# KiCad board model-c.kicad_pcb (continued)
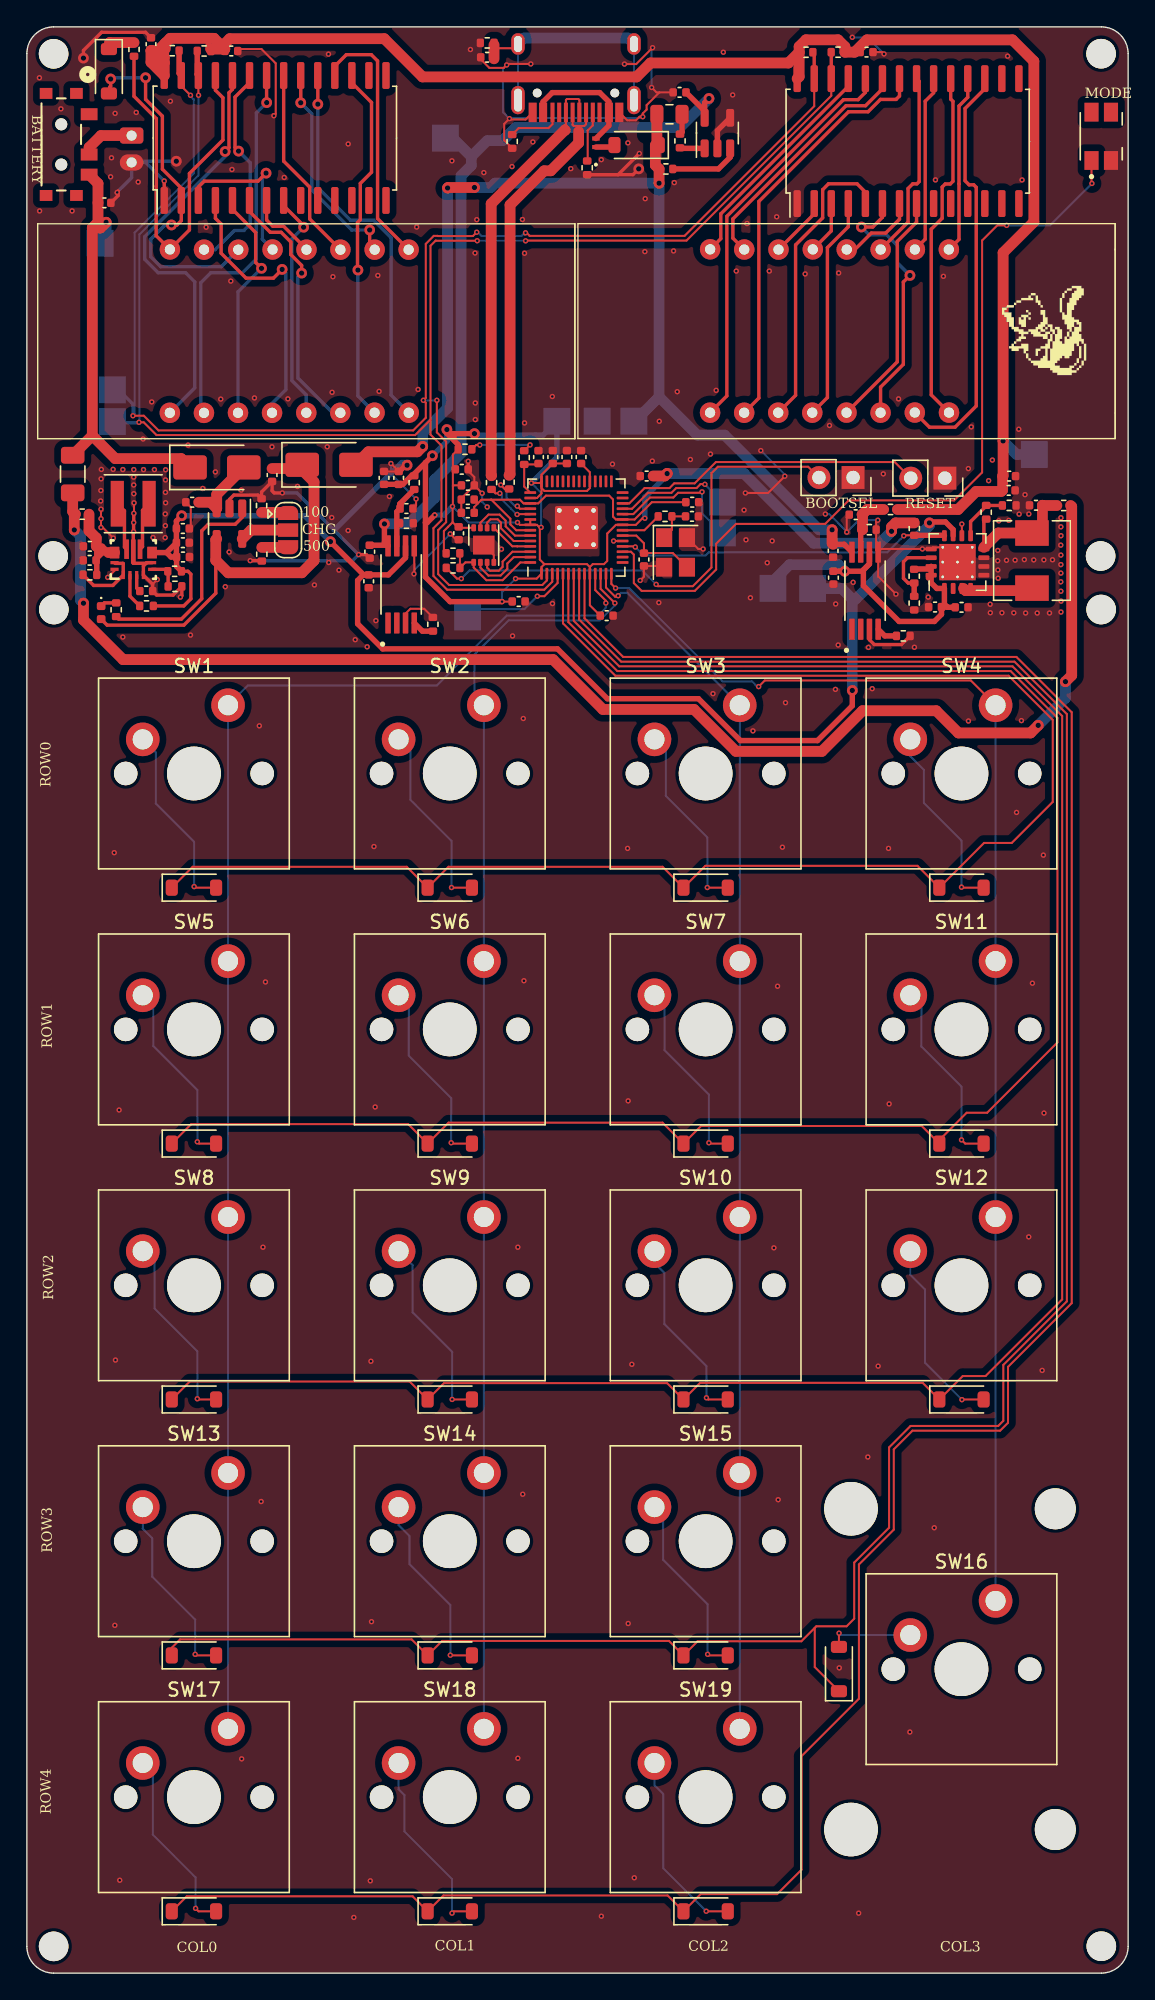
[diagram p0: board, top side]
## Nets (continued)
Net-(IC2-ROW3/K1): IC2.22 U6.2
Net-(IC2-ROW4/K2): IC2.21 U6.11
Net-(IC2-ROW5/K3): IC2.20 U6.10
Net-(IC2-ROW6/K4): IC2.19 U6.8
Net-(IC2-ROW7/K5): IC2.18 U6.9
Net-(IC2-ROW8/K6): IC2.17 U6.7
Net-(J1-Pin_1): J1.1 SW21.2
Net-(JP2-A): JP2.1 R16.2
Net-(JP2-B): JP2.3 R15.2
Net-(JP2-C): JP2.2 U4.5
Net-(L1-Pad2): L1.2 U5.3 U5.4
Net-(U3-ADC_AVDD): C10.1 R11.2 U3.43
Net-(U3-GPIO2): TP4.1 U3.4
Net-(U3-SWCLK): TP1.1 U3.24
Net-(U3-SWD): TP2.1 U3.25
Net-(U3-USB_DM): R13.1 U3.46
Net-(U3-USB_DP): R12.1 U3.47
Net-(U4-STAT): R14.2 U4.1
Net-(U5-FB): R31.1 R32.2 U5.14
Net-(U5-LBI): R5.2 R9.1 U5.9
Net-(U5-VBAT): C26.1 FB4.1 L1.1 R5.1 U5.8
Net-(U7-EN): R22.2 U7.3
Net-(U7-IN): FB1.1 U7.1
Net-(U8-ILIM): R25.1 U8.4
Net-(U8-OUT): C35.1 FB3.2 R26.1 U8.7
Net-(U9-ILIM): R24.1 U9.4
Net-(U9-OUT): C36.1 FB2.2 R27.1 U9.7
Net-(U11-EN): R23.2 U11.1 U11.14
Net-(U11-FB): R29.2 R30.1 U11.5
Net-(U11-L1): L2.1 U11.11
Net-(U11-L2): L2.2 U11.9
Net-(U11-PG): R28.2 U11.2
Net-(U11-VAUX): C38.1 U11.3
Net-(USB1-CC1): R6.1 USB1.4
Net-(USB1-CC2): R7.1 USB1.10
Net-(USB1-SHIELD): C6.1 R8.2 USB1.13

Pads without a net: IC1 9 10 11 12 13 14 15 16; IC2 9 10 11 12 13 14 15 16; S1 1_2 2_2; SW21 1 6 7 8 9; U3 15 16 27 28 29 30 31 32 34 35 36 37 38 39 40 41; U5 2; U8 1 2; U9 1 2; USB1 3 9

## Via types
v1: diameter 0.4, hole 0.2, Top to Bottom, 317 vias
v2: diameter 0.8, hole 0.4, Top to Bottom, 44 vias

## Routing (per net, layer and track width the routed paths; a pad name or vN(x,y) marks a point on that pad's centre or on a via; arc(x,y) is an arc through that point)
+1V1: length 23.3
  Top w0.15: C7.1 33.31,109.14 33.59,109.41 ; C9.1 33.59,109.41 ; 33.59,109.41 33.85,109.68 34.55,109.68 ; 43.64,109.2 43.64,108.42 43.86,108.21 U3.23 45.25,108.21 46.54,109.5 C8.1 ; 34.55,109.68 34.59,109.68 36,108.27 36,107.85 36.44,107.41 U3.50 ; 34.55,109.68 36.71,109.68 36.98,109.41 U3.45 38.08,109.41 38.65,109.98 43.36,109.98 43.64,109.7 43.64,109.22
+3V3: length 124.4
  Top w0.15: 38.53,104.88 38.2,105.22 38.2,107.6 ; 38.53,104.88 41.71,104.88 41.92,104.67 ; 38.53,104.88 38.32,104.67 U3.1 37.96,103.81 v1(36.39,103.81) ; C16.1 41.92,101.83 U3.10 41.92,104.67 ; 31.72,110.7 31.72,113.04 32.11,113.44 ; 31.72,110.7 31.77,110.75 C14.1 ; 31.72,110.7 31.72,109.21 v1(31.69,109.18) 31.7,109.17 31.7,108 ; U3.42 38.2,110.93 v1(37.56,110.93) ; U3.42 38.32,111.55 39.15,112.38 C18.1 39.16,112.38 C11.1 ; U3.42 38.32,110.55 38.53,110.33 41.71,110.33 41.92,110.55 U3.33 41.92,111.72 C13.1 ; U3.42 38.32,110.15 37.98,109.81 U3.44 ; 41.92,104.67 42.13,104.88 42.97,104.88 43.21,105.13 43.21,107.16 43.86,107.81 U3.22 45.34,107.81 45.84,108.3 v1(46.01,108.3) ; U1.8 32.22,107.59 C1.2 32.04,107.66 31.7,108 ; 38.2,107.6 37.98,107.81 U3.49 ; 38.2,107.6 38.22,107.62 v1(38.29,107.62) ; 31.7,108 31.05,107.35 31.05,105.86 R2.2 ; v1(35.38,102.1) 36.13,102.1 C17.1 ; v1(36.53,107.98) 36.71,107.81 U3.49 ; U3.49 U3.48
  Top w0.4: C2.1 28,110.83 28.63,111.46 FB3.1 28.84,111.6 29.68,112.44 ; v2(31.27,114.9) 31.27,114.62 32.11,113.78 32.11,113.44 ; v2(31.27,114.9) 31.42,114.9 ; v2(31.27,114.9) 31.82,114.36 ; v2(31.27,114.9) 31.58,114.6 v2(33.33,114.6) ; 29.68,107.97 29.8,107.97 v1(30.37,108.54) ; 29.68,107.97 29.68,103.93 31.51,102.1 v1(35.38,102.1) ; 29.68,107.97 29.68,112.44 ; C22.1 27.68,110.83 ; 29.68,112.44 v2(30.19,112.95)
  Top w0.8: v2(64.38,107.33) 64.38,107.65 64.69,107.95 66.08,107.95 ; C12.1 47.5,111.45 v2(47.67,111.63) 47.67,111.63
  Bottom w0.15: v1(35.38,102.1) 35.38,102.8 v1(36.39,103.81) ; v1(31.69,109.18) 32.89,107.98 v1(36.53,107.98) ; v1(38.29,107.62) 38.29,110.2 v1(37.56,110.93)
  Bottom w0.4: v1(37.56,110.93) 39.47,112.83 TP9.1 38.44,114.49 33.44,114.49 v2(33.33,114.6) ; v1(30.37,108.54) 31.05,108.54 v1(31.69,109.18) ; v2(30.19,112.95) 31.27,114.03 v2(31.27,114.9) ; v2(47.67,111.63) 47.67,111.53 46.01,109.87 v1(46.01,108.3)
  Bottom w0.8: v2(47.67,111.63) 53.4,111.63 58.59,106.44 63.49,106.44 v2(64.38,107.33)
+5V: length 128
  Top w0.25: 57.28,141.1 IC1.28 ; 62.04,143 C24.1
  Top w0.4: 13.81,143.34 13.7,143.23 ; 13.7,143.23 13.7,143.29 ; 13.7,143.23 13.51,143.41 13.51,144.03 ; 62.04,143.12 C24.1 ; 10.17,143.11 10.31,143.25 10.31,141.34 IC2.28 ; 72.66,110.41 C21.1
  Top w0.8: 10.31,143.66 10.67,144.03 13.94,144.03 14.74,143.23 ; 10.31,143.66 10.31,143.25 ; 10.31,143.66 9.76,143.11 ; 10.23,142.19 10.23,142.63 9.76,143.11 ; 10.23,142.19 9.31,143.11 C5.1 ; 10.23,142.19 IC2.28 9.24,142.25 C5.1 ; R19.2 57.5,141.17 IC1.28 ; R19.2 57.5,143.41 58.01,143.92 60.4,143.92 60.91,143.41 R20.1 61.64,143 62.55,143.91 73.39,143.91 74.98,142.32 74.98,130.36 72.69,128.07 v2(72.69,114.06) 72.69,111.47 C23.1 72.66,110.41 72.55,110.3 70.68,110.3 69.34,108.95 FB2.1 ; R19.2 56.71,142.19 46.44,142.19 45.4,141.15 29.46,141.15 26.62,144 15.11,144 14.74,143.63 14.74,143.23 ; 14.74,143.23 13.7,143.23 ; 9.76,143.11 C5.1
  Bottom w0.8: v2(72.69,114.06) 73.7,113.05 TP11.1
/3.3V_BATT: length 100.6
  Top w0.25: R29.1 11.99,104.35 12.21,104.14 12.21,102.31 11.68,101.78 R28.1
  Top w0.4: C30.1 25.05,104.09 24.63,103.67 24.63,100.45 26.49,98.58 39.51,98.58 43.22,94.87 50.01,94.87 53.13,91.75 58.87,91.75 61.46,94.34 v2(61.46,95.48) ; C30.1 26.92,104.09 28.2,105.37 U8.6 ; C30.1 25.08,104.09 v2(22.6,106.56) ; U11.7 10.4,105.75 ; 10.4,105.75 10.73,105.42 C41.2 ; 10.4,105.75 C40.1 ; C41.2 11.14,105.43 C39.2 11.14,108.09 v2(11.53,108.49) ; C41.2 11.15,104.72 R29.1 ; U5.11 68.97,107.45 68.4,108.03 67.2,108.03
  Bottom w0.4: v2(22.6,106.56) 20.68,108.49 v2(11.53,108.49)
  Bottom w0.8: v2(67.2,107.96) 67.2,107.77 61.72,102.29 61.46,102.29 ; 61.46,102.29 60.68,103.06 TP10.1 ; 61.46,102.29 v2(61.46,95.48)
/3.3V_USB: length 60.2
  Top w0.4: v2(26.62,107.88) 26.62,106.51 U8.8 26.84,106.29 C31.1 ; v2(50.79,139.55) 50.47,139.23 50.47,138.11 50.47,138.62 49.08,140
  Bottom w0.8: TP7.1 31.71,136.6 33.09,135.22 ; 33.09,135.22 33.09,134.56 32.33,133.79 32.33,113.14 30.36,111.17 30.36,109.81 28.43,107.88 v2(26.62,107.88) ; 33.09,135.22 34.29,136.41 35.42,136.41 36.4,137.39 48.63,137.39 v2(50.79,139.55)
/5V_BATT: length 26.6
  Top w0.4: 68.56,101.67 68.32,101.91 ; 68.56,101.67 68.54,101.69 C28.1 ; 68.56,101.67 C27.1 ; 68.32,101.91 C28.1 ; 68.32,101.91 U5.1 67.76,103.08 67.33,103.5 U5.16 ; C28.1 68.1,101.15 67.57,100.62 64.95,100.62 62.29,103.28 62.29,104.45 62.74,104.9 ; U5.16 U5.15 67.14,104.53 66.13,104.53 ; U5.16 67.13,103.86 ; C33.1 v2(60.9,104.36) 62.19,104.36 62.74,104.9 ; U9.6 62.74,104.9
  Bottom w0.8: v2(60.9,104.36) 60.41,104.84 56.78,104.84 55.55,103.61 TP8.1 55.56,103.08
GND: length 183.7
  Top w0.15: 34.77,105.02 34.77,105.55 U1.9 ; C1.1 31.96,106.7 v1(31.53,107.14) ; v1(61.05,107.27) 61.05,108.38 C36.2 ; C22.2 27.68,111.79 ; v1(6.44,106.83) 5.52,107.75 v1(5.52,108.97) ; USB1.12 37.14,137.99 36,137.99 v1(35.93,138.05) 35.54,137.66 35.54,136.44 R7.2 ; U9.5 63.24,105.93 R27.2 63.24,108.03 v1(63.36,108.16) ; U9.5 63.39,103.98 v1(64.71,102.65) ; U9.5 63.62,106.02 v1(66.68,106.02) 67.33,106.02 U5.13 67.46,106.14 U5.17 ; v1(44.5,142.11) 45.37,142.11 v1(46.59,143.33) ; v1(37.52,142.12) 35.8,142.12 v1(35.73,142.05) 35.51,141.83 34.43,141.83 33.79,142.47 33.78,142.46 ; 27.8,111.68 v1(27.11,112.38) 27.09,112.36 ; v1(6.02,103.9) 6.53,104.4 U11.15 ; v1(53.5,110.18) 55.19,110.18 v1(56.43,111.43) ; v1(28.82,104.16) 28.84,104.18 U8.5 ; v1(28.98,109.74) 28.98,109.26 C35.2 ; v1(50.35,106.01) 50,106.01 49.15,106.86 ; 47.1,140 46.15,139.05 46.15,138.72 45.86,138.43 v1(45.86,138.19) 45.62,138.19 45.35,137.93 44.7,137.93 USB1.1 ; 47.1,140 C29.2 ; 47.1,140 46.89,140 v1(46.52,140.37) ; v1(7.97,108.67) 7.98,108.68 v1(7.98,109.45) ; C39.1 12.2,107.64 12.2,109.12 C42.2 ; Y1.2 47.36,104.75 C3.1 45.95,103.95 v1(45.67,103.67) ; R25.2 29.59,101.56 28.55,101.56 28.2,101.2 U8.3 ; v1(18.39,138.26) 18.53,138.41 18.53,142.16 17.47,143.23 15.7,143.23 ; v1(43.69,106.61) U3.19 ; 32.72,111.97 33.32,111.37 C14.2 ; v1(33.9,110.16) 33.32,110.75 C14.2 ; C14.2 32.35,109.78 C9.2 32.35,109.69 C7.2 ; C24.2 63.69,143 v1(63.82,142.87) ; v1(69.62,107.87) 69.62,107.87 U5.10 ; v1(9.71,103.74) 9.37,103.4 9.37,103.38
  Top w0.25: v1(24.7,105.59) 25.27,105.59 C31.2 ; v1(11.43,102.43) 11.54,102.54 R30.2 10.89,102.58 9.66,102.58 C38.2 9.37,103.38 U11.4 8.68,104.75 8.88,104.95 ; C20.2 6.8,132.32 6.8,132.66 6.73,132.59 v1(6.73,132.56) 6.7,132.56 6.65,132.51 ; 8.88,104.95 7.93,104.95 7.93,107.29 v1(7.95,107.31) 7.95,107.97 v1(7.96,107.98) 7.96,108.66 v1(7.97,108.67) ; 8.88,104.95 8.93,105 U11.6 ; v2(4.21,142.56) 4.21,143.12 5.57,144.48 8.84,144.48 C5.2 ; v1(19.02,110.19) 18.42,110.19 18.26,110.35 C19.2 17.48,110.26 R16.1 17.21,110.03 15.41,110.03 15.09,109.7 U4.2 ; v1(16.63,105.15) 17.46,105.15 R15.1 ; v1(45.6,135.46) 44.03,133.88 R6.2 45.13,133.88 v2(45.56,134.31) ; U9.3 62.74,99.26 63.09,98.9 65.12,98.9 R24.2 ; v1(32.86,112.54) C15.2 ; v1(10.23,133.4) IC2.1
  Top w0.4: C2.2 27.73,111.78 28.4,112.45 ; U7.4 51.42,137.16 U7.2
  Bottom w0.15: v1(27.11,112.38) 27.11,111.61 v1(28.98,109.74) ; v1(63.82,142.87) 62.59,144.1 v1(61.46,144.1) ; v1(34.28,109.14) 33.9,109.52 v1(33.9,110.16) ; v1(63.36,108.16) 61.93,108.16 v1(61.05,107.27) 61.05,107.31 59.74,108.62 v1(59.45,108.62) ; v1(46.59,143.33) 46.52,143.26 v1(46.52,140.37) ; v1(28.82,104.16) 28.82,104.43 v1(31.53,107.14) ; v1(54.65,113.34) 56.43,111.56 v1(56.43,111.43) ; v1(45.86,138.19) 45.77,138.1 35.98,138.1 v1(35.93,138.05) 35.45,138.53 35.45,141.77 v1(35.73,142.05)
  Bottom w0.25: J1.2 7.8,133.66 6.8,132.66 ; J1.2 8.85,134.79 v1(10.23,133.4) ; J1.2 7.89,134.88 v2(11.13,134.88) ; v1(16.63,105.15) 22.34,105.15 v1(22.48,105.01) 22.62,105.15 24.25,105.15 v1(24.7,105.59) 20.11,110.19 v1(19.02,110.19)
  Bottom w0.4: 28.4,112.45 27.92,112.45 22.88,107.41
  vias: v1(0.94,141.09) v1(0.95,131.18) v1(2.54,138.78) v1(3.37,131.18) v1(5.51,110.37) v1(5.5,109.59) v1(5.55,111.94) v1(5.53,111.24) v1(5.52,108.27) v1(5.52,107.61) v1(6.3,135.13) v1(6.23,133.72) v1(6.42,111.94) v1(6.51,83.41) v1(6.57,138.44) v1(6.6,45.64) v1(6.55,25.89) v1(6.87,64.25) v1(6.91,6.91) v1(7.15,111.93) v1(7.14,99.46) v1(7.96,111.92) v1(7.95,111.36) v1(7.96,110.78) v1(7.97,110.13) v1(8.14,138.51) v1(8.29,133.33) v1(8.66,114.2) v1(8.69,111.92) v1(9.3,116.96) v1(9.4,106.86) v1(9.5,111.92) v1(10.31,108.62) v1(10.31,107.75) v1(10.3,106.86) v1(10.33,111.91) v1(10.32,111.15) v1(10.32,110.23) v1(10.33,109.46) v1(10.69,139.34) v1(12,113.75) v1(12.18,99.61) v1(13.1,110.52) v1(13.35,129.97) v1(14.04,111.75) v1(14.44,117.17) v1(14.78,103.2) v1(15.06,105.79) v1(15.18,125.95) v1(15.27,134.26) v1(15.96,110.4) v1(15.99,15.95) v1(16.94,117.26) v1(17.31,92.85) v1(17.45,35.11) v1(17.58,54.04) v1(17.76,73.78) v1(18.25,113.62) v1(19.16,133.67) v1(19.44,117.19) v1(20.15,110.67) v1(21.41,103.34) v1(22.37,113.62) v1(22.46,142.85) v1(22.7,108.35) v1(22.79,126.28) v1(22.73,117.68) v1(23.24,104.44) v1(23.93,136.16) v1(23.92,107.39) v1(24.35,4.15) v1(24.45,99.26) v1(25.34,98.73) v1(25.57,6.87) v1(25.62,45.55) v1(25.66,26.16) v1(25.84,83.86) v1(25.99,100.68) v1(25.94,64.48) v1(26.13,126.37) v1(26.23,117.75) v1(27,109.92) v1(29.02,129.98) v1(29.13,117.89) v1(31.65,134.91) v1(33.03,143.19) v1(33.37,128.05) v1(33.39,116.88) v1(33.39,115.65) v1(33.5,130.53) v1(34.03,134.03) v1(35.34,106) v1(36.12,134.48) v1(36.17,99.54) v1(36.56,54.04) v1(36.56,15.99) v1(36.9,130.54) v1(36.97,93.39) v1(37.01,73.87) v1(36.92,35.65) v1(37.06,128.03) v1(37.06,115.4) v1(37.68,136.31) v1(39.13,117.37) v1(39.14,101.95) v1(40.5,134.33) v1(42.77,135) v1(42.78,4.24) v1(43.6,112.33) v1(44.75,136.25) v1(44.73,83.72) v1(44.77,64.93) v1(44.77,26.03) v1(45.05,45.32) v1(45.23,7.1) v1(46.02,128.15) v1(46.04,132.09) v1(46.57,112.56) v1(47.09,115.52) v1(47.06,102.02) v1(48.21,133.29) v1(48.15,128.2) v1(48.43,117.72) v1(49.41,112.68) v1(50.9,113.08) v1(51.09,95.24) v1(51.33,117.82) v1(51.86,142.99) v1(52.55,139.81) v1(52.82,126.7) v1(53.4,108.91) v1(53.54,106.7) v1(53.62,130.24) v1(53.88,102.38) v1(54.06,92.47) v1(55.13,104.99) v1(55.28,126.7) v1(55.5,106.62) v1(55.62,53.99) v1(55.83,130.74) v1(55.9,73.47) v1(55.94,35.24) v1(56.26,83.81) v1(56.49,94.57) v1(57.95,126.49) v1(59.76,115.21) v1(60.21,95.56) v1(60.22,101.92) v1(60.41,98.86) v1(60.45,126.56) v1(60.49,22.72) v1(61.52,103.53) v1(61.93,4.46) v1(62.61,38.42) v1(62.66,98.69) v1(62.94,95.61) v1(63.39,45.18) v1(63.77,111.6) v1(64.16,83.72) v1(64.2,64.7) v1(64.91,117.19) v1(65.75,17.95) v1(66.09,98.7) v1(67.12,102.43) v1(67.56,33.15) v1(67.65,133.49) v1(68.25,126.31) v1(70.1,112) v1(70.11,93.21) v1(70.32,115.1) v1(71.61,111.1) v1(71.73,101.9) v1(71.74,101.27) v1(71.89,112.63) v1(72.29,105.9) v1(72.29,105.14) v1(72.3,104.45) v1(72.37,108.11) v1(72.32,103.83) v1(72.6,101.27) v1(72.94,105.17) v1(73.02,142.7) v1(73.11,108.14) v1(73.48,101.26) v1(73.58,105.18) v1(73.69,86.4) v1(73.86,114.93) v1(73.88,108.61) v1(74.1,133.48) v1(74.05,93.24) v1(74.27,105.22) v1(74.32,110.06) v1(74.37,101.25) v1(74.61,108.62) v1(74.6,54.81) v1(74.87,73.69) v1(74.97,105.2) v1(75.23,101.25) v1(75.6,44.87) v1(75.69,83.22) v1(75.73,105.2) v1(75.73,64.02) v1(76.14,101.25) v1(76.37,105.21) v1(77,108.34) v1(76.99,107.66) v1(77,107) v1(76.98,106.3) v1(76.99,105.56) v1(76.99,104.85) v1(76.99,104.22) v1(76.98,103.57) v1(76.99,102.87) v1(77,102.13) v1(77,101.32) v2(28.31,112.25)
VBUS: length 9.4
  Top w0.4: USB1.11 38.44,139.3 39.12,139.99 42.65,139.99 43.34,139.3 USB1.2 43.34,137.54 D25.2
/ADC_VREF: length 5.2
  Top w0.15: R10.2 33.45,113.76 v1(33.72,113.76) ; v1(37.47,113.76) 37.03,113.33 R11.1 36.92,113.44
  Bottom w0.15: v1(33.72,113.76) 33.73,113.76 v1(37.47,113.76)
/B+: length 104.6
  Top w0.8: FB4.2 77.8,109.17 77.8,96.6 v2(77.33,96.14) ; F2.2 3.41,108.8 FB5.2 3.53,108.53 v2(3.53,107.43) ; v2(75.3,92.89) 74.74,92.32 69.36,92.32 67.71,93.97 62.22,93.97 59.2,90.95 52.79,90.95 49.68,94.07 42.89,94.07 39.18,97.78 7.16,97.78 4.22,100.73 v2(4.22,101.98)
  Bottom w0.8: v2(4.22,101.98) 3.99,102.2 3.99,106.97 v2(3.53,107.43) ; v2(75.3,92.89) 77.33,94.91 v2(77.33,96.14)
/col0: length 110.2
  Top w0.15: v1(43.11,101.99) 43.11,102.16 42.32,102.95 U3.11
  Bottom w0.15: SW17.2 SW13.2 SW8.2 SW5.2 SW1.2 16.45,95.85 30.53,95.85 35.73,101.05 42.53,101.05 43.11,101.64 v1(43.11,101.99)
/col1: length 95
  Top w0.15: v1(43.78,101.99) 42.72,103.05 U3.12
  Bottom w0.15: SW18.2 SW14.2 SW9.2 SW6.2 SW2.2 33.32,95.09 33.32,98.15 35.87,100.7 42.67,100.7 43.78,101.81 v1(43.78,101.99)
/col2: length 91.1
  Top w0.15: U3.13 43.12,103.14 43.8,102.46 43.95,102.46 v1(44.03,102.54)
  Bottom w0.15: v1(44.03,102.54) 44.24,102.75 44.71,102.75 53.08,94.38 53.08,18.18
/col3: length 100.2
  Top w0.15: v1(54.49,95.77) 54.95,96.23 70.28,96.23 SW4.2 ; U3.14 43.52,103.42 v1(43.83,103.1)
  Bottom w0.15: v1(43.83,103.1) 44.85,103.1 51.8,96.16 53.99,96.16 54.38,95.77 v1(54.49,95.77) ; SW4.2 SW11.2 SW12.2 SW16.2
/LBO: length 24.9
  Top w0.15: R21.2 65.34,107.03 v1(65.3,106.99) ; U3.18 45.25,106.21 v1(45.3,106.16)
  Top w0.4: U5.12 68.29,107.03 R21.2
  Bottom w0.15: v1(45.3,106.16) 45.92,105.54 50.55,105.54 50.78,105.77 64.07,105.77 65.06,106.75 65.06,106.75 v1(65.3,106.99)
/mode: length 62.9
  Top w0.15: U3.17 44.98,105.81 45.2,105.6 45.2,103.47 45.78,102.89 49.73,102.89 51.32,104.49 51.32,106.4 52.8,107.88 59.44,107.88 61.19,109.63 69.04,109.63 71.13,111.71 71.13,128.98 72.25,130.1 v1(72.95,130.1) ; S1.1_1 79.27,133.25 v1(79.3,133.22)
  Bottom w0.15: v1(79.3,133.22) 76.18,130.1 v1(72.95,130.1)
/QSPI_SCLK: length 4.6
  Top w0.15: U1.6 34.27,107.97 34.52,108.22 35.06,108.22 35.3,107.98 35.3,107.56 36.25,106.61 U3.52
/QSPI_SD0: length 3.3
  Top w0.15: U3.53 36.52,106.21 36.51,106.22 36.15,106.22 U1.5
/QSPI_SD1: length 5.1
  Top w0.15: 33.77,105.02 33.77,104.63 34.36,104.04 35.28,104.04 35.77,104.54 35.77,104.93 36.25,105.41 U3.55
/QSPI_SD2: length 4.5
  Top w0.15: 34.27,105.02 34.27,104.63 34.51,104.39 35.13,104.39 35.42,104.68 35.42,105.08 36.16,105.81 U3.54
/QSPI_SD3: length 5.2
  Top w0.15: U1.7 33.77,107.97 34.37,108.57 35.2,108.57 35.65,108.12 35.65,107.7 36.34,107.01 U3.51
/QSPI_SS: length 7.8
  Top w0.15: U3.56 36.74,105.01 35.42,103.69 34.22,103.69 33.27,104.64 33.27,105.02 32.66,105.02 R1.1 32.25,105.69 R2.1
/row0: length 121.4
  Top w0.15: D1.1 12.34,82.36 28.29,82.36 D2.1 31.39,82.36 47.34,82.36 D3.1 50.52,82.43 66.31,82.43 D4.1 71.27,84.13 73.33,84.13 76.39,87.19 76.39,93.29 73.1,96.58 43.82,96.58 39.92,100.48 39.92,103.67 39.92,103.67 U3.5
/row1: length 139.9
  Top w0.15: D5.1 12.24,63.2 28.39,63.2 D6.1 31.4,63.31 47.33,63.31 D7.1 50.2,63.06 66.63,63.06 D8.1 67.94,62.01 69.98,64.05 71.5,64.05 76.74,69.28 76.74,93.44 73.25,96.93 43.96,96.93 40.32,100.57 U3.6
/row2: length 158.8
  Top w0.15: D9.1 12.12,44.04 28.5,44.04 D10.1 31.06,43.92 47.67,43.92 D11.1 50.13,43.94 66.7,43.94 D12.1 69.69,44.45 71.38,44.45 77.09,50.15 77.09,93.58 73.39,97.28 44.11,97.28 40.72,100.67 U3.7
/row3: length 180
  Top w0.15: U3.8 41.12,100.76 44.25,97.63 73.54,97.63 77.44,93.73 77.44,50.01 72.7,45.28 72.7,41.11 72.32,40.73 65.8,40.73 64.2,39.14 64.2,33.16 61.6,30.56 61.6,26.39 61.04,25.82 58.78,25.82 58.67,25.7 ; 58.67,25.7 58.67,22.79 D16.1 ; 58.67,25.7 57.67,24.7 49.94,24.7 D15.1 47.81,24.73 30.92,24.73 D14.1 28.65,24.84 11.41,24.84 10.79,24.22 D13.1
/row4: length 190.9
  Top w0.15: D17.1 11.91,5.72 28.72,5.72 D18.1 31.02,5.78 47.71,5.78 D19.1 50.17,5.88 55.86,5.88 57.69,7.71 57.69,16.16 61.95,20.43 61.95,30.42 64.55,33.02 64.55,38.99 65.94,40.38 72.47,40.38 73.06,40.97 73.06,45.13 77.8,49.87 77.8,93.86 73.68,97.98 44.4,97.98 41.52,100.86 U3.9
/RUN: length 23.2
  Top w0.15: J3.2 64.62,112.48 51.31,112.48 49.72,110.9 48.2,110.9 47.85,110.55 45.99,110.55 44.86,109.41 U3.26
/SCL: length 127.1
  Top w0.15: 30.05,115.63 30.05,128.58 30.44,128.97 30.45,128.96 v1(33.53,128.96) ; 30.05,115.63 30.05,114.53 30.87,113.71 30.87,108.16 30.28,107.56 30.28,104 31.29,102.98 38.52,102.98 39.12,103.58 U3.3 ; 30.05,115.63 28.91,114.49 9.65,114.49 8.7,115.44 v1(8.35,115.44) ; v1(37.14,128.95) 37.16,128.97 49.12,128.97 59.9,139.75 59.9,141.03 ; v1(12.78,139.79) 12.77,139.8 IC2.26
  Top w0.25: R20.2 59.9,142.99 59.9,141.03
  Top w0.4: 12.68,141.35 IC2.26 12.69,141.34 R18.2
  Bottom w0.15: v1(37.14,128.95) 37.13,128.96 v1(33.53,128.96) ; v1(12.78,139.79) 12.77,139.78 12.77,133.82 8.38,129.42 8.38,115.47 v1(8.35,115.44)
  Bottom w0.25: 6.54,115.54 6.67,115.41 8.32,115.41 v1(8.35,115.44)
/SDA: length 129.2
  Top w0.15: v1(7.9,115.93) 8.71,115.93 9.8,114.84 28.77,114.84 29.7,115.78 29.7,116.9 v1(29.52,117.08) 29.7,117.26 29.7,128.73 30.3,129.32 30.59,129.32 30.6,129.31 33.21,129.31 v1(33.5,129.59) ; v1(30.53,117.08) 30.53,114.7 31.22,114 31.22,108.01 30.62,107.42 30.62,104.15 31.44,103.33 38.38,103.33 38.72,103.67 U3.2 ; IC1.27 58.63,138.98 48.97,129.32 37.44,129.32 37.21,129.55 v1(37.13,129.55) ; v1(12.18,139.79) 11.5,140.47 IC2.27
  Top w0.25: R19.1 58.63,142.89 IC1.27
  Top w0.4: R17.1 11.34,141.42 IC2.27
  Bottom w0.15: v1(30.53,117.08) v1(29.52,117.08) ; v1(12.18,139.79) 12.18,139.71 12.42,139.47 12.42,133.97 8.02,129.57 8.02,116.06 v1(7.9,115.93) ; v1(33.5,129.59) 33.57,129.59 33.85,129.31 36.82,129.31 36.94,129.43 37.06,129.43 37.13,129.49 v1(37.13,129.55)
  Bottom w0.25: v1(7.9,115.93) 7.9,116.79 6.64,118.05 6.55,118.05
/USB_BOOT: length 36.9
  Top w0.15: v1(32.35,103.81) 32.02,103.81 R1.2 ; 58.94,111.38 58.17,112.13 51.45,112.13 50.97,111.66 50.97,104.63 49.59,103.24 46.99,103.24 v1(46.86,103.38)
  Bottom w0.15: v1(46.86,103.38) 45.81,104.42 32.97,104.42 v1(32.35,103.81)
/USB_DN: length 30.9
  Top w0.15: USB1.5 41.64,137.64 41.51,137.51 40.72,137.51 40.64,137.59 USB1.7
  Top w0.8: R13.2 35.98,111.57 35.98,131.62 38.52,134.16 39.01,134.16 41.09,136.24 41.09,137.09
/USB_DP: length 32.3
  Top w0.15: USB1.6 41.14,139.44 41.06,139.51 40.21,139.51 40.14,139.44 USB1.8 40.14,137.52 40.09,137.47
  Top w0.4: 40.09,137.18 40.09,137.47
  Top w0.8: R12.2 34.57,111.5 34.57,131.71 40.04,137.18 40.09,137.18
/XIN: length 6.2
  Top w0.15: 49.15,104.66 48.1,105.71 C3.2 45.95,106.44 45.38,107.01 U3.20
/XOUT: length 3.1
  Top w0.15: R3.2 45.98,107.41 U3.21
VSYS: length 85.4
  Top w0.4: U9.8 60.85,106.36 C32.1
  Top w0.8: v2(47.08,133.24) R22.1 46.8,134.58 46.8,136.06 46.91,136.18 F1.1 ; v2(31.33,132.89) 31.36,132.92 v2(33.33,132.92) ; 24.5,111.89 24.5,112.32 25.42,113.25 29.08,113.25 v2(29.47,113.65) ; v2(59.96,107.44) 59.96,106.44 C32.1
  Bottom w0.8: 47.08,117.33 v2(47.08,133.24) 34.86,133.24 34.54,132.92 v2(33.33,132.92) ; 47.08,117.33 49.92,114.48 51.96,114.48 59,107.44 v2(59.96,107.44) ; 47.08,117.33 45.27,115.53 TP6.1 ; v2(31.33,132.89) 31.33,116.51 29.47,114.65 v2(29.47,113.65)
Net-(C4-Pad1): length 2.8
  Top w0.15: C4.1 R3.1 48.03,107.44 Y1.1
Net-(C34-Pad1): length 8.6
  Top w0.4: R23.1 5.2,106.18 C34.1 ; 6.08,105.75 5.62,106.21 C34.1 ; 5.63,105.75 C34.1 ; 5.63,105.75 U11.12 ; 5.63,105.75 5.16,105.27 C37.2
  Top w0.8: U11.12 6.08,105.75 ; C34.1 5.17,106.83 4.63,107.37 FB5.1
Net-(D1-A): length 14.2
  Top w0.15: v1(12.45,80.88) 12.54,80.8 D1.2
  Bottom w0.15: v1(12.45,80.88) 12.45,84.21 9.6,87.06 9.6,90.87 SW1.1
Net-(D2-A): length 14.2
  Top w0.15: v1(31.62,80.81) 31.63,80.8 D2.2
  Bottom w0.15: v1(31.62,80.81) 31.62,84.28 28.56,87.34 28.56,90.97 SW2.1
Net-(D3-A): length 14.2
  Top w0.15: v1(50.67,80.81) 50.68,80.8 D3.2
  Bottom w0.15: v1(50.67,80.81) 50.67,84.54 47.58,87.63 47.58,90.99 SW3.1
Net-(D4-A): length 14.2
  Top w0.15: v1(69.59,80.84) 69.63,80.8 71.24,80.8
  Bottom w0.15: v1(69.59,80.84) 69.59,84.3 66.79,87.11 66.79,89.58 65.78,90.59 SW4.1
Net-(D5-A): length 14
  Top w0.15: D5.2 12.83,61.75 v1(12.69,61.89)
  Bottom w0.15: SW5.1 9.41,72.01 9.41,69.01 12.69,65.73 v1(12.69,61.89)
Net-(D6-A): length 14.2
  Top w0.15: v1(31.59,61.81) 31.66,61.75 D6.2
  Bottom w0.15: SW6.1 28.44,72.03 28.44,68.3 31.59,65.14 v1(31.59,61.81)
Net-(D7-A): length 14.1
  Top w0.15: v1(50.78,61.81) 50.84,61.75 D7.2
  Bottom w0.15: v1(50.78,61.81) 50.78,65.4 47.48,68.7 47.48,72.04 SW7.1
Net-(D8-A): length 14.1
  Top w0.15: v1(69.59,62.03) 69.87,61.75 71.24,61.75
  Bottom w0.15: SW11.1 66.6,71.97 66.6,68.98 69.59,65.99 v1(69.59,62.03)
Net-(D9-A): length 14.1
  Top w0.15: v1(12.69,42.75) 12.75,42.7 D9.2
  Bottom w0.15: v1(12.69,42.75) 12.69,46.29 9.51,49.47 9.51,52.86 SW8.1
Net-(D10-A): length 14.2
  Top w0.15: D10.2 31.67,42.7 v1(31.67,42.71)
  Bottom w0.15: SW9.1 28.72,52.7 28.72,49.19 31.67,46.25 v1(31.67,42.71)
Net-(D11-A): length 14.2
  Top w0.15: D11.2 50.73,42.7 v1(50.6,42.83)
  Bottom w0.15: SW10.1 46.73,52.86 47.47,52.12 47.47,48.32 50.6,45.18 v1(50.6,42.83)
Net-(D12-A): length 14.3
  Top w0.15: v1(69.62,42.69) 69.64,42.7 71.24,42.7
  Bottom w0.15: SW12.1 65.78,51.98 66.88,50.88 66.88,45.43 v1(69.62,42.69)
Net-(D13-A): length 14.2
  Top w0.15: D13.2 12.61,23.65 v1(12.53,23.73)
  Bottom w0.15: v1(12.53,23.73) 12.53,26.31 9.33,29.51 9.33,32.38 8.63,33.08 SW13.1
Net-(D14-A): length 14.2
  Top w0.15: D14.2 31.55,23.65 v1(31.53,23.67)
  Bottom w0.15: SW14.1 27.68,33.35 28.49,32.54 28.49,30.45 31.53,27.41 v1(31.53,23.67)
Net-(D15-A): length 14.1
  Top w0.15: D15.2 50.77,23.65 v1(50.69,23.73)
  Bottom w0.15: SW15.1 47.38,34.04 47.38,30.76 50.69,27.46 v1(50.69,23.73)
Net-(D16-A): length 6.4
  Top w0.15: v1(60.48,25.31) 60.47,25.3 D16.2
  Bottom w0.15: SW16.1 60.61,25.17 v1(60.48,25.31)
Net-(D17-A): length 14.1
  Top w0.15: D17.2 12.78,4.6 v1(12.56,4.82)
  Bottom w0.15: v1(12.56,4.82) 12.56,7.12 9.38,10.31 9.38,14.89 SW17.1
Net-(D18-A): length 14.4
  Top w0.15: D18.2 31.79,4.6 v1(31.66,4.47)
  Bottom w0.15: SW18.1 27.68,13.69 28.12,13.25 28.12,10.55 31.66,7.01 v1(31.66,4.47)
Net-(D19-A): length 14.2
  Top w0.15: v1(50.59,4.61) 50.59,4.6 D19.2
  Bottom w0.15: SW19.1 46.73,13.99 47.38,13.34 47.38,7.81 v1(50.59,4.61)
Net-(D20-A): length 27
  Top w0.25: D20.2 6.18,139.99 6.18,140.4 6.24,140.47 v2(6.24,141) ; v2(8.84,141.09) 8.84,139.49 10.09,138.24 10.09,134.29 11.5,132.88 IC2.2 11.5,130.46 11.18,130.13 v2(10.77,130.13)
  Bottom w0.25: v2(8.84,141.09) 6.33,141.09 v2(6.24,141) ; v2(10.77,130.13) 10.29,130.13 9.23,129.07 9.23,127.76 9.96,127.03 14.48,127.03 15.74,128.29
Net-(D20-K): length 2.3
  Top w0.8: D20.1 6.18,143.3 6.18,143.71 ; 6.18,143.71 R4.2 ; 6.18,143.71 6.18,143.7
Net-(D21-A): length 1.4
  Top w0.4: D21.2 43.6,135.93 D25.1
Net-(D22-K): length 31.2
  Top w0.25: D23.2 5.98,100.34 11.69,100.34 14.07,102.72 14.07,105.17
  Top w0.8: C19.1 20.38,112 21.38,111.01 21.38,105.15 20.48,104.24 14.99,104.24 14.07,105.17 14.07,106.69 U4.4
Net-(D23-K): length 1.2
  Top w0.25: R14.1 5.77,102 D23.1
Net-(D24-A): length 5.4
  Top w0.8: D24.2 14.14,110.07 U4.3 13.68,109.49 C42.1
Net-(D24-K): length 33.2
  Top w0.8: 4.87,129.91 5.48,129.91 v2(5.9,130.33) ; 4.87,129.91 4.87,114.45 ; 4.87,129.91 5.3,130.34 C20.1 5.3,133.22 SW21.3 ; F2.1 4.87,114.45 ; 4.87,114.45 6.59,112.74 11.5,112.74 D24.1
  Bottom w0.8: TP5.1 5.9,129.22 v2(5.9,130.33)
Net-(F1-Pad2): length 1.5
  Top w0.4: FB1.2 48.78,137.05 F1.2
Net-(IC1-COM0/AD): length 4.5
  Top w0.25: 55.97,128.3 58.63,130.96 IC1.2
Net-(IC1-COM1/KS0): length 4
  Top w0.25: U2.13 59.9,129.69 59.9,131.72
Net-(IC1-COM2/KS1): length 16.7
  Top w0.25: U2.4 59.61,117.29 59.61,128.45 61.17,130.01 IC1.4
Net-(IC1-COM3/KS2): length 22.4
  Top w0.25: U2.3 57.24,117.45 57.24,128.65 59.25,130.66 59.25,132.76 59.69,133.2 61.81,133.2 62.44,132.58 IC1.5
Net-(IC1-COM4): length 19.9
  Top w0.25: v2(65.75,126.38) 65.26,125.89 65.26,119.76 63.57,118.06 U2.6 ; v2(62.14,129.98) 62.98,129.98 63.71,130.7 IC1.6
  Bottom w0.25: v2(65.75,126.38) 64.83,127.3 64.83,128.59 64.02,129.39 62.73,129.39 v2(62.14,129.98)
Net-(IC1-COM5): length 6
  Top w0.25: 64.98,131.72 64.98,130.56 63.95,129.53 62.88,129.53 61.65,128.31 61.05,128.31
Net-(IC1-COM6): length 17.7
  Top w0.25: U2.5 64.81,119.95 64.81,128.91 66.25,130.34 IC1.8
Net-(IC1-ROW0/A2): length 17
  Top w0.25: IC1.25 61.17,140.46 51.67,130.96 51.67,129.11 50.88,128.32
Net-(IC1-ROW1/A1): length 30.3
  Top w0.25: IC1.24 62.44,140 61.89,139.46 60.81,139.46 52.12,130.77 52.12,117.41 U2.1
Net-(IC1-ROW2/A0): length 18.5
  Top w0.25: U2.15 52.57,129.15 52.57,130.59 60.99,139.01 62.45,139.01 63.71,140.27 IC1.23
Net-(IC1-ROW3/K1): length 31.2
  Top w0.25: 64.98,141.03 64.98,139.73 64.72,139.48 63.55,139.48 62.63,138.56 61.18,138.56 54.5,131.88 54.5,117.25 U2.2
Net-(IC1-ROW4/K2): length 14.2
  Top w0.25: IC1.21 66.44,140.83 66.44,133.36 66.27,133.2 65.96,133.2 65.61,132.85 65.61,130.35 U2.11
Net-(IC1-ROW5/K3): length 13.3
  Top w0.25: IC1.20 67.52,139.97 66.89,139.34 66.89,129.07 U2.10
Net-(IC1-ROW6/K4): length 26.4
  Top w0.25: IC1.19 68.79,139.5 68.96,139.33 68.96,133.38 68.76,133.19 68.38,133.19 68.15,132.96 68.15,130.63 67.34,129.82 67.34,117.49 U2.8
Net-(IC1-ROW7/K5): length 13.3
  Top w0.25: U2.9 69.41,129.06 69.41,133.2 69.41,138.99 70.06,139.64 70.06,141.03
Net-(IC1-ROW8/K6): length 31.2
  Top w0.25: IC1.17 71.33,140.27 69.86,138.8 69.86,133.42 70.16,133.12 70.5,133.12 70.69,132.94 70.69,116.66 69.11,115.08 67.21,115.08 U2.7
Net-(IC2-COM1/KS0): length 12.6
  Top w0.25: v2(17.81,133.99) 17.22,133.4 13.21,133.4 12.77,132.96 IC2.3
  Bottom w0.25: U6.13 17.54,129.07 17.54,133.72 v2(17.81,133.99)
Net-(IC2-COM2/KS1): length 20.9
  Top w0.25: v2(19.01,126.83) 18.36,126.18 16.32,126.18 14.46,128.03 14.46,130.2 14.04,130.63 14.04,131.96
  Bottom w0.25: 18.26,116.15 18.26,116.84 19.28,117.87 19.28,126.55 v2(19.01,126.83)
Net-(IC2-COM3/KS2): length 17.4
  Top w0.25: IC2.5 15.31,131.3 17.03,129.57 17.03,127.34 v2(17.47,126.91)
  Bottom w0.25: v2(17.47,126.91) 15.72,125.16 15.72,116.15
Net-(IC2-COM4): length 19.6
  Top w0.25: v2(20.46,126.55) 20.46,127.12 19.65,127.93 19.65,128.87 18.93,129.59 18.13,129.59 16.58,131.13 16.58,131.96
  Bottom w0.25: v2(20.46,126.55) 20.18,126.28 20.18,118.74 22.77,116.15 23.34,116.15
Net-(IC2-COM5): length 5.4
  Top w0.25: U6.12 20.82,128.34 19.12,130.04 18.31,130.04 17.85,130.5 IC2.7
Net-(IC2-COM6): length 17.2
  Top w0.25: v2(20.61,129.97) 20.61,130.08 19.12,131.57 IC2.8
  Bottom w0.25: v2(20.61,129.97) 19.73,129.09 19.73,118.55 20.81,117.48 U6.5
Net-(IC2-ROW0/A2): length 30.3
  Top w0.25: 14.04,141.26 14.04,140.16 14.6,139.6 14.6,136.46 12.1,133.97 12.1,129.76 U6.16 9.63,129.33 9.63,133.02 9.64,133.03 9.64,138.05 7.98,139.71 7.98,142.69
Net-(IC2-ROW1/A1): length 31.3
  Top w0.25: IC2.24 15.31,140.24 15.05,139.98 15.05,135.89 v2(14.76,135.6)
  Bottom w0.25: v2(14.76,135.6) 14.76,135.25 8.77,129.26 8.77,127.58 9.77,126.58 11.82,126.58 12.5,125.89 12.5,118 10.65,116.15
Net-(IC2-ROW2/A0): length 16.3
  Top w0.25: 16.58,141.26 16.58,140.73 15.5,139.65 15.5,135.9 v2(15.76,135.63)
  Bottom w0.25: 13.19,128.36 U6.15 14.03,128.3 15.45,129.72 16.16,129.72 16.64,130.2 16.64,134.76 v2(15.76,135.63)
Net-(IC2-ROW3/K1): length 28.6
  Top w0.25: v2(17.86,139.24) 17.85,139.25 IC2.22
  Bottom w0.25: U6.2 12.95,116.38 12.95,125.83 13.7,126.58 16.05,126.58 17.09,127.61 17.09,138.47 v2(17.86,139.24)
Net-(IC2-ROW4/K2): length 14.7
  Top w0.25: U6.11 21.06,130.58 21.06,132.95 19.12,134.89 IC2.21
Net-(IC2-ROW5/K3): length 16
  Top w0.25: v2(25.52,129.76) 25.52,128.67 U6.10 ; v2(20.39,139.23) 20.39,141.26 IC2.20
  Bottom w0.25: v2(25.52,129.76) 24.19,129.76 21.21,132.73 21.21,138.41 v2(20.39,139.23)
Net-(IC2-ROW6/K4): length 28.9
  Top w0.25: IC2.19 21.66,141.25 v2(21.66,139.12)
  Bottom w0.25: U6.8 27.12,117.47 27.12,129.19 25.82,130.49 24.1,130.49 21.66,132.92 v2(21.66,139.12)
Net-(IC2-ROW7/K5): length 19.4
  Top w0.25: U6.9 26.11,130.61 26.11,142.34 25.64,142.81 23.79,142.81 22.93,141.96 IC2.18
Net-(IC2-ROW8/K6): length 26.7
  Top w0.25: v2(24.65,126.78) 24.62,126.81 24.62,130.32 24.83,130.53 24.83,133.23 25.66,134.06 25.66,139.25 24.2,140.72 IC2.17
  Bottom w0.25: U6.7 24.65,117.4 v2(24.65,126.78)
